# Altium PCB UmTRXv21.PcbDoc (part 11 of 19) (continued)
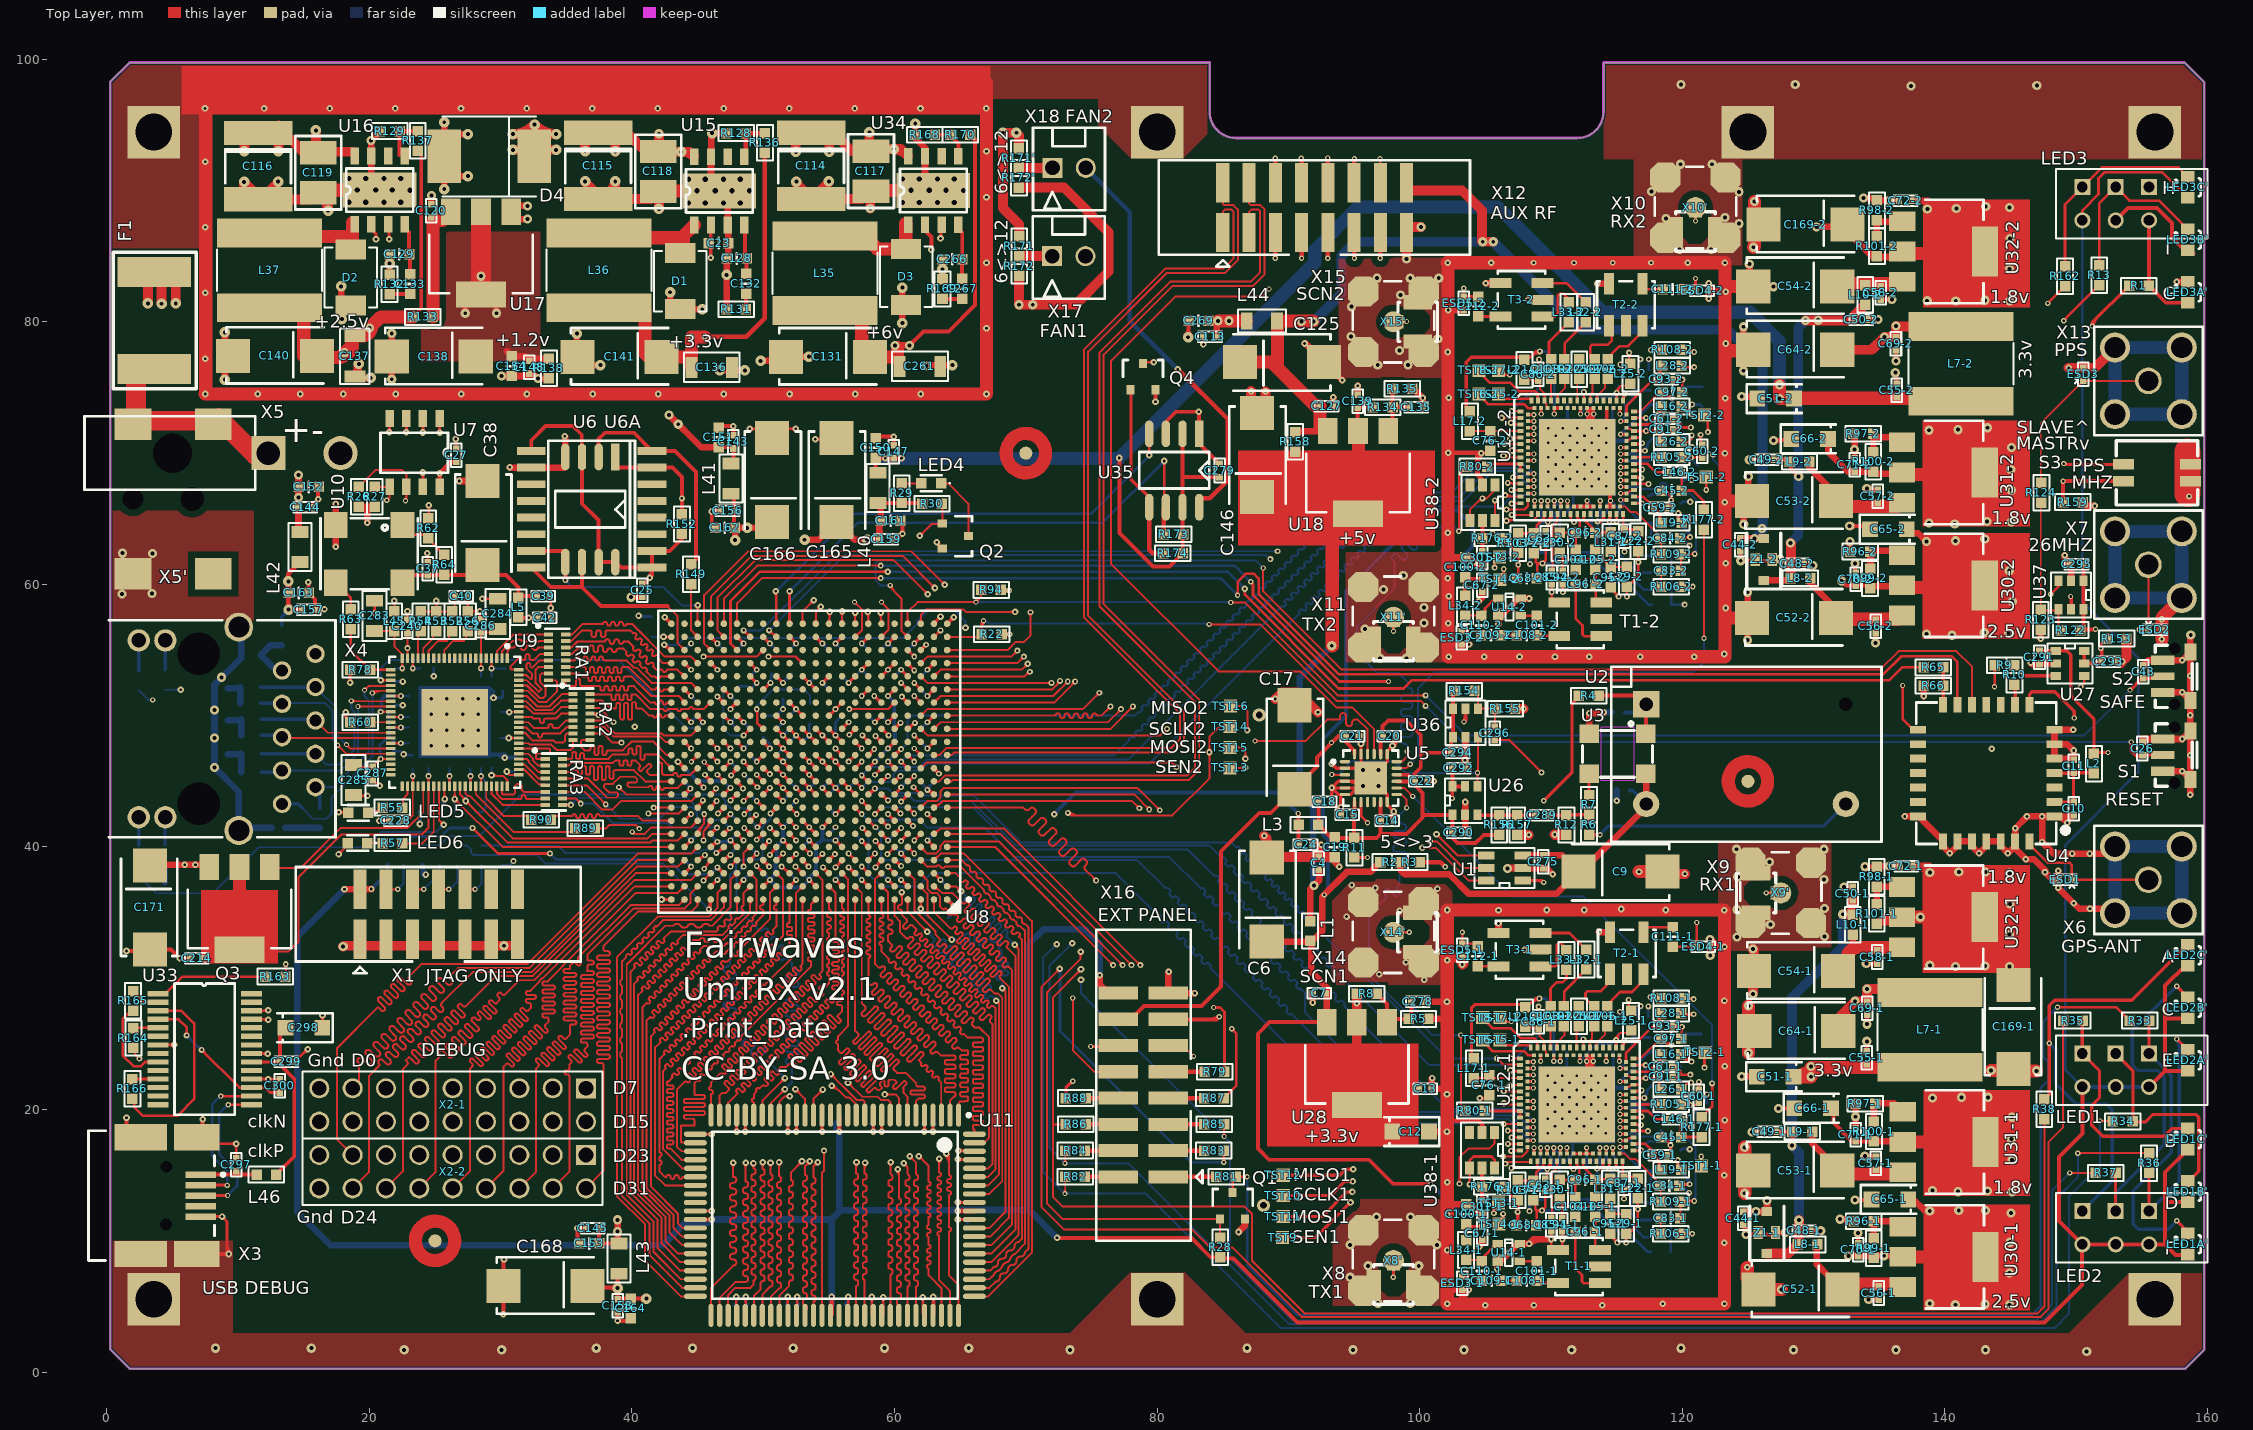
[diagram p0: Top Layer view]
## Nets (pads, with @x,y where several pads share a name; then routed paths per layer and width w, separated by ;. In a path a pad name is that pad's centre, name@x,y a point inside that pad or via, vN(x,y) a via of type N, cw(c..) or ccw(c..) an arc to the next point about the centre after c; other vN are vias at no path point) (continued)
RAM_A03: U8.B6 U11.99 | length 41
  Top Layer w0.15: U8.B6@59,36.825 cw(c59,36.282) 59.384,36.666 ; U8.B6@59,37 59.05,37 59.5,36.55 59.5,34.6 ccw(c59.675,34.6) 59.675,34.425 cw(c59.675,34.25) 59.85,34.25 cw(c59.675,34.25) 59.675,34.075 ccw(c59.675,33.9) 59.5,33.9 ccw(c59.675,33.9) 59.675,33.725 cw(c59.675,33.55) 59.85,33.55 cw(c59.675,33.55) 59.675,33.375 ccw(c59.675,33.2) 59.5,33.2 59.5,32.85 59.747,32.603 cw(c59.624,32.479) 59.747,32.355 59.712,32.32 ccw(c59.836,32.196) 59.712,32.072 ccw(c59.836,32.196) 59.96,32.072 60.278,32.39 cw(c60.402,32.267) 60.525,32.39 cw(c60.402,32.267) 60.525,32.143 60.207,31.825 ccw(c60.331,31.701) 60.207,31.577 ccw(c60.331,31.701) 60.455,31.577 60.614,31.736 60.773,31.895 cw(c60.897,31.772) 61.02,31.895 cw(c60.897,31.772) 61.02,31.648 60.861,31.489 60.702,31.33 ccw(c60.826,31.206) 60.702,31.082 ccw(c60.826,31.206) 60.95,31.082 61.109,31.241 61.268,31.4 cw(c61.392,31.277) 61.515,31.4 cw(c61.392,31.277) 61.515,31.153 61.197,30.835 ccw(c61.321,30.711) 61.197,30.587 ccw(c61.321,30.711) 61.445,30.587 61.604,30.746 61.763,30.905 cw(c61.886,30.782) 62.01,30.905 cw(c61.886,30.782) 62.01,30.658 61.851,30.499 61.692,30.34 ccw(c61.816,30.216) 61.692,30.092 ccw(c61.816,30.216) 61.94,30.092 62.099,30.251 62.258,30.41 cw(c62.381,30.287) 62.505,30.41 cw(c62.381,30.287) 62.505,30.163 62.187,29.845 ccw(c62.311,29.721) 62.187,29.597 ccw(c62.311,29.721) 62.434,29.597 62.753,29.916 cw(c62.876,29.792) 63,29.916 cw(c62.876,29.792) 63,29.668 62.841,29.509 62.682,29.35 ccw(c62.806,29.226) 62.682,29.102 ccw(c62.806,29.226) 62.929,29.102 63.089,29.261 63.248,29.421 cw(c63.371,29.297) 63.495,29.421 cw(c63.371,29.297) 63.495,29.173 63.336,29.014 63.177,28.855 ccw(c63.301,28.731) 63.177,28.607 ccw(c63.301,28.731) 63.424,28.607 63.743,28.926 cw(c63.866,28.802) 63.99,28.926 cw(c63.866,28.802) 63.99,28.678 63.831,28.519 63.672,28.36 ccw(c63.796,28.236) 63.672,28.112 ccw(c63.796,28.236) 63.919,28.112 64.079,28.271 64.238,28.431 cw(c64.361,28.307) 64.485,28.431 cw(c64.361,28.307) 64.485,28.183 64.326,28.024 64.167,27.865 ccw(c64.291,27.741) 64.167,27.617 ccw(c64.291,27.741) 64.414,27.617 64.733,27.936 cw(c64.856,27.812) 64.98,27.936 cw(c64.856,27.812) 64.98,27.688 64.662,27.37 ccw(c64.786,27.246) 64.662,27.122 ccw(c64.786,27.246) 64.909,27.122 65.068,27.282 65.228,27.441 cw(c65.351,27.317) 65.475,27.441 cw(c65.351,27.317) 65.475,27.193 65.316,27.034 65.157,26.875 ccw(c65.281,26.751) 65.157,26.627 ccw(c65.281,26.751) 65.404,26.627 65.563,26.787 65.723,26.946 cw(c65.846,26.822) 65.97,26.946 cw(c65.846,26.822) 65.97,26.698 65.935,26.663 ccw(c66.058,26.539) 65.935,26.415 66.1,26.25 66.45,26.25 67.2,25.5 67.2,17.85 66.825,17.475 U11.99@66.075,17.475 ; U8.B6@59.175,37 ccw(c59.477,37) 59.263,36.787
RAM_A04: U8.D3 U11.83 | length 40.6
  Top Layer w0.15: U8.D3@62,38.825 cw(c62,38.403) 62.299,38.701 cw(c62.597,39) U8.D3@62.175,39 ; U8.D3@62,39 62.5,38.5 63.15,38.5 cw(c63.325,38.397) 63.5,38.5 ccw(c63.675,38.603) 63.85,38.5 65.05,38.5 66.829,36.721 ccw(c66.9,36.65) 66.829,36.58 66.935,36.474 ccw(c67.006,36.544) 67.076,36.474 67.324,36.226 ccw(c67.395,36.155) 67.324,36.085 67.43,35.979 ccw(c67.501,36.049) 67.571,35.979 67.819,35.731 ccw(c67.89,35.66) 67.819,35.59 67.925,35.484 ccw(c67.996,35.554) 68.066,35.484 68.314,35.236 ccw(c68.385,35.165) 68.314,35.095 68.42,34.989 ccw(c68.491,35.059) 68.561,34.989 68.809,34.741 ccw(c68.88,34.67) 68.809,34.6 68.915,34.494 ccw(c68.986,34.564) 69.056,34.494 69.304,34.246 ccw(c69.374,34.176) 69.304,34.105 69.41,33.999 ccw(c69.481,34.069) 69.551,33.999 69.95,33.6 69.95,9.8 69.141,8.991 ccw(c69.322,8.492) 68.823,8.673 cw(c68.323,8.854) 68.505,8.355 ccw(c68.686,7.855) 68.186,8.036 cw(c67.687,8.218) 67.868,7.718 ccw(c68.049,7.219) 67.55,7.4 67.225,7.075 U11.83@66.075,7.075
RAM_A05: U8.D1 U11.82 | length 40.5
  Top Layer w0.15: U8.D1@64,39 65.1,39 65.495,38.605 cw(c65.546,38.408) 65.743,38.357 ccw(c65.939,38.306) 65.99,38.11 cw(c66.041,37.913) 66.238,37.862 ccw(c66.434,37.811) 66.485,37.615 cw(c66.536,37.418) 66.733,37.367 ccw(c66.929,37.316) 66.98,37.12 cw(c67.031,36.923) 67.228,36.872 ccw(c67.424,36.822) 67.475,36.625 cw(c67.526,36.428) 67.723,36.377 ccw(c67.919,36.327) 67.97,36.13 cw(c68.021,35.933) 68.218,35.882 ccw(c68.414,35.832) 68.465,35.635 cw(c68.516,35.438) 68.713,35.387 ccw(c68.909,35.337) 68.96,35.14 cw(c69.011,34.943) 69.208,34.892 ccw(c69.404,34.842) 69.455,34.645 cw(c69.506,34.448) 69.703,34.397 ccw(c69.899,34.347) 69.95,34.15 70.2,33.9 70.2,9.4 69.921,9.121 cw(c69.618,9.105) 69.602,8.802 ccw(c69.587,8.5) 69.284,8.484 cw(c68.981,8.469) 68.966,8.166 ccw(c68.951,7.863) 68.648,7.848 cw(c68.345,7.832) 68.33,7.53 ccw(c68.314,7.227) 68.011,7.211 cw(c67.709,7.196) 67.693,6.893 67.225,6.425 U11.82@66.075,6.425 ; U8.D1@64.124,38.876 cw(c64.422,38.578) 64.422,39 cw(c64.422,39.422) U8.D1@64.124,39.124
RAM_A06: U8.D2 U11.81 | length 41.5
  Top Layer w0.15: U8.D2@63,39 63.004,39 63.504,39.5 65.3,39.5 70.45,34.35 70.45,9.1 67.125,5.775 U11.81@66.075,5.775 ; U8.D2@63,39.175 ccw(c63,39.606) 63.305,39.301 ; U8.D2@63.175,39 cw(c63.589,39) 63.296,39.293
RAM_A07: U8.B18 U11.50 | length 40.7
  Top Layer w0.15: U11.50@44.825,5.775 43.725,5.775 41,8.5 41,11.25 38.85,13.4 38.85,31.6 41.95,34.7 45.866,34.7 46.5,35.334 46.5,36.5 U8.B18@47,37 ; U8.B18@46.825,37 cw(c46.403,37) 46.701,36.701 cw(c47,36.403) U8.B18@47,36.825
RAM_A08: U8.A18 U11.49 | length 40.4
  Top Layer w0.15: U11.49@44.825,6.425 43.825,6.425 41.35,8.9 41.35,11.3 39.25,13.4 39.25,23.9 cw(c39.427,24.175) 39.25,24.45 39.25,25 cw(c39.427,25.275) 39.25,25.55 39.25,26.1 cw(c39.427,26.375) 39.25,26.65 39.25,27.2 cw(c39.427,27.475) 39.25,27.75 39.25,28.3 cw(c39.427,28.575) 39.25,28.85 39.25,29.4 cw(c39.427,29.675) 39.25,29.95 39.25,31.3 39.556,31.606 cw(c39.627,31.677) 39.556,31.747 39.627,31.818 cw(c39.697,31.747) 39.768,31.818 ccw(c39.839,31.889) 39.91,31.818 39.98,31.889 ccw(c39.91,31.96) 39.98,32.03 cw(c40.051,32.101) 39.98,32.172 40.051,32.242 cw(c40.122,32.172) 40.192,32.242 ccw(c40.263,32.313) 40.334,32.242 40.405,32.313 ccw(c40.334,32.384) 40.405,32.455 cw(c40.475,32.525) 40.405,32.596 40.475,32.667 cw(c40.546,32.596) 40.617,32.667 ccw(c40.687,32.737) 40.758,32.667 40.829,32.737 ccw(c40.758,32.808) 40.829,32.879 cw(c40.9,32.95) 40.829,33.02 40.9,33.091 cw(c40.97,33.02) 41.041,33.091 ccw(c41.112,33.162) 41.182,33.091 41.253,33.162 ccw(c41.182,33.232) 41.253,33.303 cw(c41.324,33.374) 41.253,33.445 41.324,33.515 cw(c41.395,33.445) 41.465,33.515 ccw(c41.536,33.586) 41.607,33.515 41.677,33.586 ccw(c41.607,33.657) 41.677,33.727 cw(c41.748,33.798) 41.677,33.869 41.748,33.94 cw(c41.819,33.869) 41.89,33.94 42.4,34.45 46.05,34.45 47,35.4 U8.A18@47,36 ; U8.A18@46.876,35.876 cw(c46.578,35.578) 47,35.578 cw(c47.422,35.578) U8.A18@47.124,35.876
RAM_A09: U8.C17 U11.48 | length 40.5
  Top Layer w0.15: U11.48@44.825,7.075 43.725,7.075 41.65,9.15 41.65,11.45 39.6,13.5 39.6,31.05 42.55,34 43.15,34 cw(c43.425,33.823) 43.7,34 ccw(c43.975,34.177) 44.25,34 cw(c44.525,33.823) 44.8,34 ccw(c45.075,34.177) 45.35,34 cw(c45.625,33.823) 45.9,34 46.1,34 47.5,35.4 47.5,37.5 U8.C17@48,38 ; U8.C17@47.825,38 cw(c47.403,38) 47.701,37.701 cw(c48,37.403) U8.C17@48,37.825
RAM_A10: U8.A17 U11.47 | length 40.7
  Top Layer w0.15: 40.199,31.082 ccw(c40.284,30.997) 40.199,30.913 cw(c40.143,30.856) 40.199,30.799 39.9,30.5 39.9,13.65 41.95,11.6 41.95,9.45 43.675,7.725 U11.47@44.825,7.725 ; 40.199,31.082 40.242,31.125 cw(c40.327,31.04) 40.411,31.125 40.468,31.068 40.525,31.012 ccw(c40.61,31.096) 40.694,31.011 40.737,31.054 ccw(c40.652,31.139) 40.737,31.224 40.624,31.337 cw(c40.709,31.422) 40.624,31.506 ; 40.624,31.507 40.666,31.549 cw(c40.751,31.464) 40.836,31.549 40.892,31.492 40.949,31.436 ccw(c41.034,31.521) 41.119,31.436 41.161,31.478 ccw(c41.076,31.563) 41.161,31.648 41.105,31.705 41.048,31.761 cw(c41.133,31.846) 41.048,31.931 41.09,31.973 cw(c41.175,31.888) 41.26,31.973 41.317,31.917 41.373,31.86 ccw(c41.458,31.945) 41.543,31.86 41.585,31.903 ccw(c41.501,31.987) 41.585,32.072 41.529,32.129 41.472,32.185 cw(c41.557,32.27) 41.472,32.355 41.515,32.398 cw(c41.6,32.313) 41.684,32.398 41.741,32.341 41.798,32.284 ccw(c41.882,32.369) 41.967,32.284 42.01,32.327 ; 42.01,32.327 ccw(c41.925,32.412) 42.01,32.497 41.953,32.553 41.897,32.61 cw(c41.981,32.695) 41.896,32.779 41.939,32.822 cw(c42.024,32.737) 42.109,32.822 42.165,32.765 42.222,32.709 ccw(c42.307,32.794) 42.391,32.709 42.434,32.751 ; 42.434,32.751 ccw(c42.349,32.836) 42.434,32.921 cw(c42.491,32.977) 42.434,33.034 42.95,33.55 46.4,33.55 46.563,33.713 cw(c46.705,33.817) 46.81,33.96 ccw(c46.915,34.103) 47.058,34.208 cw(c47.2,34.312) 47.305,34.455 ccw(c47.41,34.598) 47.553,34.703 cw(c47.695,34.807) 47.8,34.95 48,35.15 U8.A17@48,36 ; U8.A17@47.876,35.876 cw(c47.578,35.578) 48,35.578 cw(c48.422,35.578) U8.A17@48.124,35.876
RAM_A11: U8.B16 U11.46 | length 40.6
  Top Layer w0.15: 40.702,30.059 40.659,30.102 ccw(c40.574,30.017) 40.49,30.102 40.447,30.059 ccw(c40.532,29.974) 40.447,29.889 cw(c40.426,29.868) 40.447,29.847 40.15,29.55 40.15,13.85 42.25,11.75 42.25,9.8 43.675,8.375 U11.46@44.825,8.375 ; 40.702,30.059 ccw(c40.786,30.144) 40.871,30.059 40.914,30.102 ; 40.914,30.526 40.871,30.483 ccw(c40.956,30.399) 40.871,30.314 40.914,30.271 cw(c40.829,30.186) 40.914,30.102 ; 40.914,30.526 cw(c40.999,30.441) 41.083,30.526 41.126,30.483 ccw(c41.211,30.568) 41.295,30.483 41.338,30.526 ccw(c41.253,30.611) 41.338,30.695 ; 41.338,30.696 41.296,30.738 cw(c41.38,30.823) 41.295,30.907 41.338,30.95 cw(c41.423,30.865) 41.507,30.95 41.529,30.929 41.55,30.908 ccw(c41.635,30.992) 41.72,30.908 41.762,30.95 ccw(c41.677,31.035) 41.762,31.12 41.72,31.162 cw(c41.805,31.247) 41.72,31.332 41.762,31.374 ; 41.762,31.374 cw(c41.847,31.289) 41.932,31.374 41.974,31.332 ccw(c42.059,31.417) 42.144,31.332 42.186,31.374 ccw(c42.102,31.459) 42.186,31.544 42.144,31.586 cw(c42.229,31.671) 42.144,31.756 42.186,31.799 cw(c42.271,31.714) 42.356,31.799 ; 42.356,31.799 42.399,31.756 ccw(c42.483,31.841) 42.568,31.756 42.611,31.799 ; 42.611,31.799 ccw(c42.526,31.883) 42.611,31.968 42.568,32.011 cw(c42.653,32.096) 42.568,32.18 42.611,32.223 cw(c42.696,32.138) 42.78,32.223 42.823,32.18 ccw(c42.908,32.265) 42.992,32.18 43.035,32.223 ccw(c42.95,32.308) 43.035,32.393 42.993,32.435 cw(c43.077,32.52) 42.992,32.605 43.035,32.647 cw(c43.12,32.562) 43.205,32.647 43.226,32.626 43.247,32.605 ccw(c43.332,32.69) 43.417,32.605 43.459,32.647 ccw(c43.374,32.732) 43.459,32.817 cw(c43.48,32.838) 43.459,32.859 43.9,33.3 46.9,33.3 47.386,33.786 47.379,33.793 cw(c47.478,33.892) 47.379,33.991 47.429,34.041 cw(c47.528,33.942) 47.627,34.041 47.634,34.034 47.881,34.281 47.874,34.288 cw(c47.973,34.387) 47.874,34.486 47.924,34.536 cw(c48.023,34.437) 48.122,34.536 48.129,34.529 48.5,34.9 48.5,35.175 48.49,35.175 cw(c48.49,35.315) 48.35,35.315 48.35,35.385 cw(c48.49,35.385) 48.49,35.525 48.5,35.525 48.5,36.5 U8.B16@49,37 ; U8.B16@48.825,37 cw(c48.403,37) 48.701,36.701 cw(c49,36.403) U8.B16@49,36.825
RAM_A12: U8.A16 U11.45 | length 40.5
  Top Layer w0.15: 41.269,29.236 cw(c41.185,29.321) 41.1,29.237 41.043,29.293 40.987,29.35 ccw(c40.902,29.265) 40.817,29.35 40.774,29.307 ccw(c40.859,29.222) 40.774,29.138 cw(c40.718,29.081) 40.774,29.024 40.45,28.7 40.45,13.95 42.55,11.85 42.55,10 43.525,9.025 U11.45@44.825,9.025 ; 41.269,29.237 41.312,29.279 ccw(c41.227,29.364) 41.312,29.449 41.199,29.562 cw(c41.284,29.647) 41.199,29.731 41.241,29.774 cw(c41.326,29.689) 41.411,29.774 41.467,29.717 41.524,29.661 ccw(c41.609,29.746) 41.694,29.661 41.736,29.703 ccw(c41.651,29.788) 41.736,29.873 41.68,29.93 41.623,29.986 cw(c41.708,30.071) 41.623,30.156 41.665,30.198 ; 41.666,30.198 cw(c41.75,30.113) 41.835,30.198 41.892,30.142 41.948,30.085 ccw(c42.033,30.17) 42.118,30.085 42.16,30.128 ccw(c42.076,30.212) 42.16,30.297 42.104,30.354 42.047,30.41 ; 42.047,30.411 cw(c42.132,30.495) 42.047,30.58 42.09,30.623 ; 42.09,30.623 cw(c42.175,30.538) 42.259,30.623 42.316,30.566 42.373,30.509 ccw(c42.457,30.594) 42.542,30.509 42.585,30.552 ccw(c42.5,30.637) 42.585,30.722 42.528,30.778 42.472,30.835 cw(c42.556,30.92) 42.471,31.004 42.514,31.047 ; 42.514,31.047 cw(c42.599,30.962) 42.684,31.047 42.74,30.99 42.797,30.934 ccw(c42.882,31.019) 42.966,30.934 43.009,30.976 ccw(c42.924,31.061) 43.009,31.146 42.896,31.259 cw(c42.981,31.344) 42.896,31.429 42.938,31.471 cw(c43.023,31.386) 43.108,31.471 43.165,31.415 43.221,31.358 ccw(c43.306,31.443) 43.391,31.358 ; 43.391,31.358 43.433,31.4 ccw(c43.348,31.485) 43.433,31.57 43.377,31.627 43.32,31.683 cw(c43.405,31.768) 43.32,31.853 43.362,31.895 cw(c43.447,31.81) 43.532,31.895 43.589,31.839 43.645,31.782 ccw(c43.73,31.867) 43.815,31.782 ; 43.815,31.782 43.857,31.825 ccw(c43.773,31.909) 43.858,31.994 ; 43.857,31.994 43.801,32.051 43.744,32.107 cw(c43.829,32.192) 43.744,32.277 43.787,32.32 cw(c43.872,32.235) 43.956,32.32 44.013,32.263 44.07,32.206 ccw(c44.154,32.291) 44.239,32.206 44.282,32.249 ; 44.282,32.249 ccw(c44.197,32.334) 44.282,32.419 cw(c44.338,32.475) 44.282,32.532 44.65,32.9 45.175,32.9 45.175,32.91 cw(c45.315,32.91) 45.315,33.05 45.385,33.05 cw(c45.385,32.91) 45.525,32.91 45.525,32.89 ccw(c45.665,32.89) 45.665,32.75 45.735,32.75 ccw(c45.735,32.89) 45.875,32.89 45.875,32.91 cw(c46.015,32.91) 46.015,33.05 46.085,33.05 cw(c46.085,32.91) 46.225,32.91 46.225,32.89 ccw(c46.365,32.89) 46.365,32.75 46.435,32.75 ccw(c46.435,32.89) 46.575,32.89 46.575,32.9 46.904,32.9 49,34.996 U8.A16@49,36 ; U8.A16@48.876,35.876 cw(c48.578,35.578) 49,35.578 cw(c49.422,35.578) U8.A16@49.124,35.876
RAM_A13: U8.C16 U11.44 | length 40.5
  Top Layer w0.15: 42.158,29.2 42.179,29.179 42.2,29.158 cw(c42.115,29.073) 42.2,28.988 42.158,28.946 cw(c42.073,29.03) 41.988,28.946 41.946,28.988 ccw(c41.861,28.903) 41.776,28.988 41.733,28.946 ccw(c41.818,28.861) 41.733,28.776 41.776,28.733 cw(c41.691,28.649) 41.776,28.564 41.733,28.521 cw(c41.649,28.606) 41.564,28.521 41.521,28.564 ccw(c41.436,28.479) 41.352,28.564 41.309,28.521 ccw(c41.394,28.436) 41.309,28.352 41.352,28.309 cw(c41.267,28.224) 41.352,28.14 41.309,28.097 cw(c41.224,28.182) 41.139,28.097 ccw(c41.118,28.076) 41.097,28.097 40.8,27.8 40.8,13.996 42.85,11.946 42.85,10.65 43.825,9.675 U11.44@44.825,9.675 ; 42.157,29.2 cw(c42.242,29.285) 42.158,29.37 42.2,29.412 ; 42.2,29.412 cw(c42.285,29.327) 42.37,29.412 42.412,29.37 ccw(c42.497,29.455) 42.582,29.37 42.624,29.412 ; 42.624,29.836 cw(c42.709,29.752) 42.794,29.836 ; 42.624,29.836 42.582,29.794 ccw(c42.667,29.709) 42.582,29.624 42.624,29.582 cw(c42.539,29.497) 42.624,29.412 ; 42.794,29.836 42.836,29.794 ccw(c42.921,29.879) 43.006,29.794 43.049,29.836 ccw(c42.964,29.921) 43.049,30.006 ; 43.049,30.006 43.006,30.049 cw(c43.091,30.133) 43.006,30.218 43.049,30.261 ; 43.049,30.261 cw(c43.133,30.176) 43.218,30.261 43.261,30.218 ccw(c43.346,30.303) 43.43,30.218 43.473,30.261 ccw(c43.388,30.346) 43.473,30.43 43.43,30.473 cw(c43.515,30.558) 43.43,30.642 43.473,30.685 cw(c43.558,30.6) 43.643,30.685 43.685,30.643 ccw(c43.77,30.727) 43.855,30.642 43.897,30.685 ccw(c43.812,30.77) 43.897,30.855 43.876,30.876 43.855,30.897 cw(c43.94,30.982) 43.855,31.067 43.897,31.109 cw(c43.982,31.024) 44.067,31.109 44.109,31.067 ccw(c44.194,31.152) 44.279,31.067 44.321,31.109 ccw(c44.237,31.194) 44.321,31.279 44.279,31.321 cw(c44.364,31.406) 44.279,31.491 44.321,31.534 cw(c44.406,31.449) 44.491,31.534 44.534,31.491 ccw(c44.618,31.576) 44.703,31.491 44.746,31.534 ccw(c44.661,31.618) 44.746,31.703 44.703,31.746 cw(c44.788,31.831) 44.703,31.915 44.746,31.958 cw(c44.83,31.873) 44.915,31.958 44.958,31.915 ccw(c45.043,32) 45.127,31.915 45.17,31.958 ccw(c45.085,32.043) 45.17,32.127 cw(c45.191,32.149) 45.17,32.17 45.45,32.45 47,32.45 47.235,32.685 cw(c47.256,32.664) 47.277,32.685 ccw(c47.362,32.77) 47.447,32.685 47.489,32.727 ccw(c47.405,32.812) 47.489,32.897 cw(c47.511,32.918) 47.489,32.939 47.659,33.109 ; 47.659,33.109 cw(c47.68,33.088) 47.702,33.109 ccw(c47.786,33.194) 47.871,33.109 47.914,33.152 ccw(c47.829,33.236) 47.914,33.321 cw(c47.935,33.342) 47.914,33.364 48.083,33.533 cw(c48.105,33.512) 48.126,33.533 ccw(c48.211,33.618) 48.295,33.533 48.338,33.576 ccw(c48.253,33.661) 48.338,33.746 cw(c48.359,33.767) 48.338,33.788 48.508,33.958 cw(c48.529,33.936) 48.55,33.958 ccw(c48.635,34.042) 48.72,33.958 48.762,34 ccw(c48.677,34.085) 48.762,34.17 cw(c48.783,34.191) 48.762,34.212 48.932,34.382 cw(c48.953,34.361) 48.974,34.382 ccw(c49.059,34.467) 49.144,34.382 ; U8.C16@49,37.825 cw(c49,37.403) 49.299,37.701 cw(c49.597,38) U8.C16@49.175,38 ; U8.C16@49,38 49.5,37.5 49.5,34.95 49.186,34.636 ccw(c49.208,34.615) 49.186,34.594 cw(c49.102,34.509) 49.186,34.424 49.144,34.382
RAM_A14: U8.A13 U11.35 | length 40.6
  Top Layer w0.15: 42.549,23.382 ccw(c42.634,23.297) 42.549,23.213 cw(c42.493,23.156) 42.549,23.099 42.35,22.9 42.35,17 43.825,15.525 U11.35@44.825,15.525 ; 42.549,23.382 42.592,23.425 cw(c42.677,23.34) 42.761,23.425 42.818,23.368 42.875,23.312 ccw(c42.96,23.396) 43.044,23.311 43.087,23.354 ccw(c43.002,23.439) 43.087,23.524 42.974,23.637 ; 42.974,23.637 cw(c43.059,23.722) 42.974,23.806 ; 42.974,23.807 43.016,23.849 cw(c43.101,23.764) 43.186,23.849 43.242,23.792 43.299,23.736 ccw(c43.384,23.821) 43.469,23.736 43.511,23.778 ccw(c43.426,23.863) 43.511,23.948 43.455,24.005 43.398,24.061 cw(c43.483,24.146) 43.398,24.231 ; 43.398,24.231 43.44,24.273 cw(c43.525,24.188) 43.61,24.273 43.667,24.217 43.723,24.16 ccw(c43.808,24.245) 43.893,24.16 43.935,24.203 ccw(c43.851,24.287) 43.935,24.372 43.879,24.429 43.822,24.485 cw(c43.907,24.57) 43.822,24.655 43.865,24.698 cw(c43.95,24.613) 44.034,24.698 44.091,24.641 44.148,24.584 ccw(c44.232,24.669) 44.317,24.584 44.36,24.627 ; 44.36,24.627 ccw(c44.275,24.712) 44.36,24.797 44.303,24.853 44.247,24.91 cw(c44.331,24.995) 44.246,25.079 44.289,25.122 cw(c44.374,25.037) 44.459,25.122 44.515,25.065 44.572,25.009 ccw(c44.657,25.094) 44.741,25.009 44.784,25.051 ; 44.784,25.051 ccw(c44.699,25.136) 44.784,25.221 44.671,25.334 cw(c44.756,25.419) 44.671,25.504 44.713,25.546 cw(c44.798,25.461) 44.883,25.546 44.94,25.49 44.996,25.433 ccw(c45.081,25.518) 45.166,25.433 ; 45.166,25.433 45.208,25.475 ccw(c45.123,25.56) 45.208,25.645 45.152,25.702 45.095,25.758 cw(c45.18,25.843) 45.095,25.928 45.137,25.97 cw(c45.222,25.885) 45.307,25.97 45.364,25.914 45.42,25.857 ccw(c45.505,25.942) 45.59,25.857 ; 45.59,25.857 45.632,25.9 ccw(c45.548,25.984) 45.633,26.069 45.576,26.126 45.519,26.182 cw(c45.604,26.267) 45.519,26.352 45.562,26.395 cw(c45.647,26.31) 45.731,26.395 45.788,26.338 45.845,26.281 ccw(c45.929,26.366) 46.014,26.281 46.057,26.324 ccw(c45.972,26.409) 46.057,26.494 46,26.55 45.944,26.607 cw(c46.028,26.692) 45.943,26.776 45.986,26.819 ; 45.986,26.819 cw(c46.071,26.734) 46.156,26.819 46.212,26.762 46.269,26.706 ccw(c46.354,26.791) 46.438,26.706 46.481,26.748 ccw(c46.396,26.833) 46.481,26.918 46.424,26.974 46.368,27.031 cw(c46.453,27.116) 46.368,27.201 46.41,27.243 ; 46.41,27.243 cw(c46.495,27.158) 46.58,27.243 46.637,27.187 46.693,27.13 ccw(c46.778,27.215) 46.863,27.13 46.905,27.172 ccw(c46.82,27.257) 46.905,27.342 46.849,27.399 46.792,27.455 cw(c46.877,27.54) 46.792,27.625 46.835,27.667 cw(c46.919,27.583) 47.004,27.667 47.061,27.611 47.117,27.554 ccw(c47.202,27.639) 47.287,27.554 47.33,27.597 ccw(c47.245,27.682) 47.33,27.766 ; 47.33,27.766 47.273,27.823 47.216,27.88 cw(c47.301,27.964) 47.216,28.049 47.259,28.092 cw(c47.344,28.007) 47.428,28.092 47.542,27.979 ; 47.542,27.978 ccw(c47.627,28.063) 47.711,27.978 ; 47.711,27.979 47.754,28.021 ccw(c47.669,28.106) 47.754,28.191 47.697,28.247 47.641,28.304 cw(c47.726,28.389) 47.64,28.473 47.683,28.516 cw(c47.768,28.431) 47.853,28.516 47.909,28.459 47.966,28.403 ccw(c48.051,28.488) 48.135,28.403 ; 48.136,28.403 48.178,28.445 ; 48.178,28.445 ccw(c48.093,28.53) 48.178,28.615 48.121,28.671 48.065,28.728 cw(c48.15,28.813) 48.065,28.898 48.107,28.94 cw(c48.192,28.855) 48.277,28.94 48.334,28.884 48.39,28.827 ccw(c48.475,28.912) 48.56,28.827 48.602,28.869 ; 48.602,28.87 ccw(c48.517,28.954) 48.602,29.039 48.546,29.096 48.489,29.152 cw(c48.574,29.237) 48.489,29.322 48.532,29.364 cw(c48.616,29.28) 48.701,29.364 48.758,29.308 48.814,29.251 ccw(c48.899,29.336) 48.984,29.251 49.027,29.294 ccw(c48.942,29.379) 49.027,29.463 48.97,29.52 48.913,29.577 cw(c48.998,29.661) 48.913,29.746 48.956,29.789 cw(c49.041,29.704) 49.125,29.789 49.239,29.676 ccw(c49.324,29.76) 49.408,29.675 49.451,29.718 ccw(c49.366,29.803) 49.451,29.888 49.394,29.944 49.338,30.001 ; 49.338,30.001 cw(c49.423,30.086) 49.338,30.171 49.38,30.213 cw(c49.465,30.128) 49.55,30.213 49.606,30.156 49.663,30.1 ccw(c49.748,30.185) 49.833,30.1 49.875,30.142 ccw(c49.79,30.227) 49.875,30.312 49.819,30.369 49.762,30.425 cw(c49.847,30.51) 49.762,30.595 ; 49.762,30.595 49.804,30.637 cw(c49.889,30.552) 49.974,30.637 ; 49.974,30.637 50.031,30.581 50.087,30.524 ccw(c50.172,30.609) 50.257,30.524 50.299,30.567 ccw(c50.215,30.651) 50.299,30.736 50.243,30.793 50.186,30.849 cw(c50.271,30.934) 50.186,31.019 50.229,31.062 cw(c50.314,30.977) 50.398,31.062 50.455,31.005 50.512,30.948 ccw(c50.596,31.033) 50.681,30.948 50.724,30.991 ; 50.724,30.991 ccw(c50.639,31.076) 50.724,31.16 50.667,31.217 50.61,31.274 cw(c50.695,31.358) 50.61,31.443 50.653,31.486 cw(c50.738,31.401) 50.823,31.486 50.879,31.429 50.936,31.373 ccw(c51.021,31.457) 51.105,31.372 51.148,31.415 ; 51.148,31.415 ccw(c51.063,31.5) 51.148,31.585 51.091,31.641 51.035,31.698 cw(c51.12,31.783) 51.035,31.868 51.077,31.91 cw(c51.162,31.825) 51.247,31.91 51.303,31.853 51.36,31.797 ccw(c51.445,31.882) 51.53,31.797 ; 51.53,31.797 51.572,31.839 ccw(c51.487,31.924) 51.572,32.009 51.516,32.066 51.459,32.122 cw(c51.544,32.207) 51.459,32.292 51.501,32.334 cw(c51.586,32.249) 51.671,32.334 ccw(c51.728,32.391) 51.784,32.334 52,32.55 52,32.92 cw(c52.08,32.92) 52.08,33 ccw(c52.08,33.12) 52.2,33.12 52.2,33.18 ccw(c52.08,33.18) 52.08,33.3 51.92,33.3 cw(c51.92,33.42) 51.8,33.42 51.8,33.48 cw(c51.92,33.48) 51.92,33.6 52.08,33.6 ccw(c52.08,33.72) 52.2,33.72 52.2,33.78 ccw(c52.08,33.78) 52.08,33.9 51.92,33.9 cw(c51.92,34.02) 51.8,34.02 51.8,34.08 cw(c51.92,34.08) 51.92,34.2 51.95,34.2 ccw(c51.95,34.25) 52,34.25 U8.A13@52,36 ; U8.A13@51.876,35.876 cw(c51.578,35.578) 52,35.578 cw(c52.422,35.578) U8.A13@52.124,35.876